# Altium PCB версия1.PcbDoc (part 1 of 3) (continued)
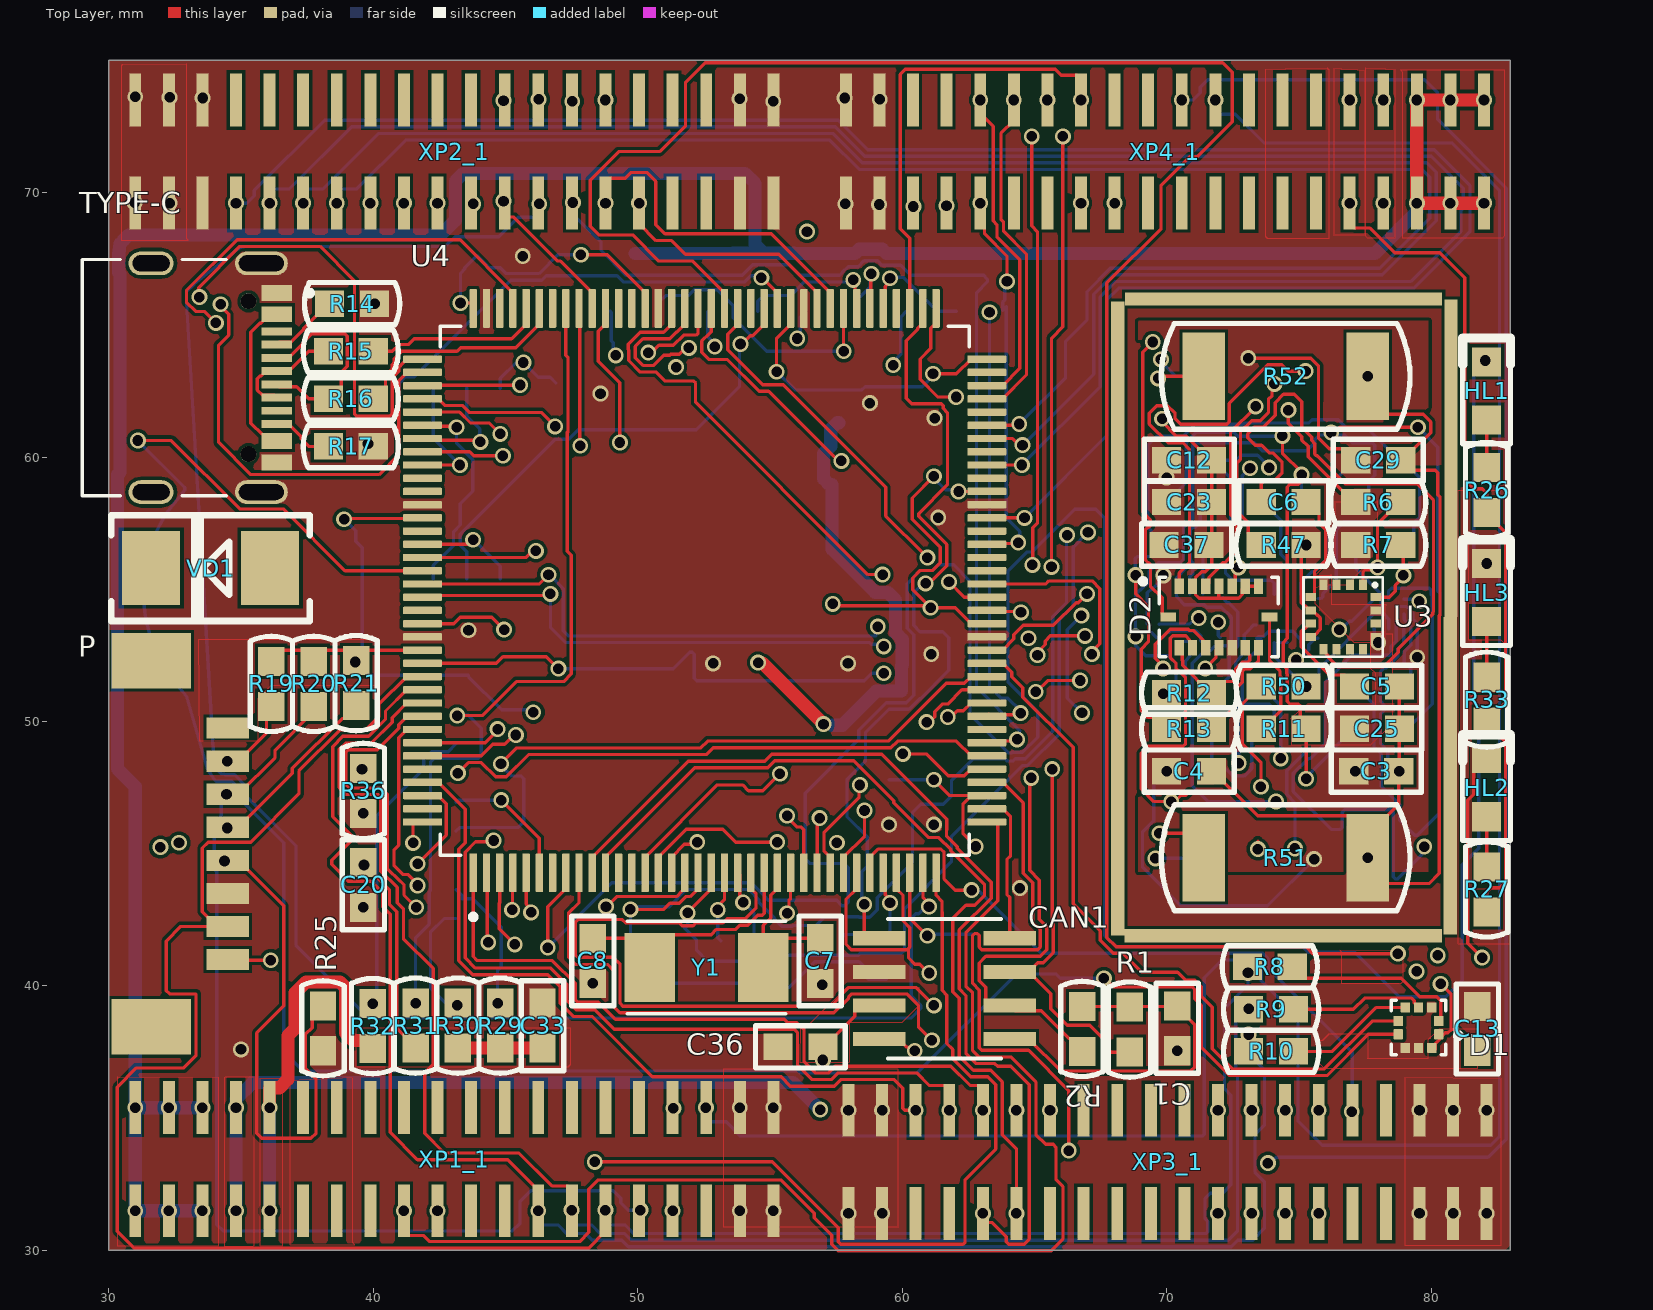
[diagram p0: Top Layer view]
## Components (designator, comment, footprint, x,y, rotation, side; value= is the part's Value field where it differs from the comment) (continued)
P "Header 1x8" "PicoBlade 8pin" 34.5,45.385 r270 top
R1 "60Om" R0603 68.6,38.35 r90 top
R2 "60 Om" R0603 66.8,38.375 r90 top
R3 "0" R0603 70.85,51.075 r180 bottom
R4 "0" R0603 70.75,56.675 r180 bottom
R5 "0" R0603 70.85,58.3 r180 bottom
R6 "2.2k" R0603 78,58.3 r180 top
R7 "2.2k" R0603 78,56.675 r180 top
R8 "0" R0603 73.9,40.725 r0 top
R9 "0" R0603 73.95,39.125 r0 top
R10 "0" R0603 73.95,37.525 r0 top
R11 "0" R0603 74.425,49.725 r180 top
R12 "0" R0603 70.85,51.075 r180 top
R13 "0" R0603 70.85,49.725 r0 top
R14 "5,1 кОм" R0603 39.2,65.8 r180 top
R15 "68" R0603 39.15,64 r0 top
R16 "68" R0603 39.15,62.2 r0 top
R17 "5,1 кОм" R0603 39.15,60.4 r0 top
R18 "47 Ом" R0603 59.4,41.1 r90 bottom
R19 "47 кОм" R0603 36.15,51.425 r90 top
R20 "47 кОм" R0603 37.75,51.425 r90 top
R21 "47 кОм" R0603 39.35,51.45 r90 top
R22 "0" R0603 77.95,49.725 r0 bottom
R23 "0" R0603 78,56.675 r180 bottom
R24 "0" R0603 77.95,51.325 r180 bottom
R25 "47 кОм" R0603 38.1,38.4 r270 top
R26 "220" R0603 82.1,58.75 r270 top
R27 "220" R0603 82.1,43.65 r270 top
R28 "0" R0603 61,41.1 r270 bottom
R29 "47 кОм" R0603 44.8,38.5 r90 top
R30 "47 кОм" R0603 43.2,38.5 r90 top
R31 "47 кОм" R0603 41.6,38.5 r90 top
R32 "47 кОм" R0603 39.98,38.484 r90 top
R33 "220" R0603 82.1,50.825 r270 top
R34 "0" R0603 62.65,41.103 r90 bottom
R36 "10 kOm" R0603 39.625,47.375 r270 top
R37 "0" R0603 63.6,43.7 r0 bottom
R38 "10 кОм" R0603 70.85,59.875 r180 bottom
R39 "0" R0603 74.425,58.3 r180 bottom
R40 "0" R0603 78,59.875 r180 bottom
R41 "0" R0603 78,58.3 r0 bottom
R42 "0" R0603 70.85,48.125 r180 bottom
R43 "Resistor" R0603 51.75,40.95 r270 bottom
R44 "Resistor" R0603 53.15,40.85 r270 bottom
R45 "Resistor" R0603 54.4,40.8 r270 bottom
R46 "Resistor" R0603 49.6,40.8 r270 bottom
R47 "Resistor_0,25W" R0603 74.425,56.675 r0 top
R48 "Resistor_0,25W" R0603 74.425,56.675 r0 bottom
R49 "Resistor_0,25W" R0603 74.425,51.325 r0 bottom
R50 "Resistor_0,25W" R0603 74.425,51.325 r0 top
R51 "Resistor_0,25W" R2512 74.5,44.85 r0 top
R52 "Resistor_0,25W" R2512 74.5,63.05 r0 top
R53 "Resistor_0,25W" R2512 74.5,44.85 r0 bottom
R54 "Resistor_0,25W" R2512 74.5,63.05 r0 bottom
TYPE-C "TYPE-C-31-M-12" HRO_TYPE-C-31-M-12 31.6,63 r270 top
U1 "W25Q128FVSIG" SOIC127P790X216-8N 42.9,59 r90 bottom
U2 "QMI8658" QMI8658 70.95,53.875 r0 bottom
U3 "QMC5883L" QMC5883L 76.675,54.025 r0 top
U4 "K1921BK01T2" QFP50P2200X2200X160-144N 52.53,54.95 r90 top
VD1 "" DO-214AA 33.85,55.8 r180 top
VT1 "MOSFET-N" SOT95P240X112-3N 61.1,66.6 r90 bottom
VT2 "MOSFET-N" SOT95P240X112-3N 57.3,66.6 r90 bottom
VT3 "MOSFET-N" SOT95P240X112-3N 53.6,66.6 r90 bottom
VT4 "MOSFET-N" SOT95P240X112-3N 49.9,66.6 r90 bottom
XP1_1 "PLLD-1.27-40S" "Headr 2x20 male" 42.851,33.447 r90 top
XP1_2 "PLLD-1.27-40S" "Headr 2x20 Female" 41.962,33.32 r90 bottom
XP2_1 "PLLD-1.27-40S" "Headr 2x20 male" 42.851,71.547 r90 top
XP2_2 "PLLD-1.27-40S" "Headr 2x20 Female" 41.962,71.42 r90 bottom
XP3_1 "PLLD-1.27-40S" "Headr 2x20 male" 69.821,33.347 r90 top
XP3_2 "PLLD-1.27-40S" "Headr 2x20 Female" 68.932,33.22 r90 bottom
XP4_1 "PLLD-1.27-40S" "Headr 2x20 male" 69.721,71.547 r90 top
XP4_2 "PLLD-1.27-40S" "Headr 2x20 Female" 68.832,71.42 r90 bottom
Y1 "8 мгц" XTAL_ABM7-8.000MHZ-8-R80-D2Y-T 52.6,40.7 r0 top

## Footprints (in the part's own frame and the unit in brackets; to place one, negate y for a bottom-side part, rotate by r counter-clockwise, add the part's x,y. Pads: shape width x height; smd on the part's side, far side on the other; paste and mask are expansions set on the pad)
C0603#1 [mm] "1608M"
  rect 1.1x1 smd: 1(-0.85,0) 2(0.85,0)
  silkscreen extent -1.7,-0.8 1.7,0.8, body extent -0.8,-0.4 0.8,0.4, height 0.91
C0603#2 [mm] "1608M"
  rect 1.1x1 smd: 1(-0.85,0.018) 2(0.85,0)
  silkscreen extent -1.7,-0.8 1.7,0.8, body extent -0.8,-0.4 0.8,0.4, height 0.91
DO-214AA [mm] "(SMB) Low profile package"
  rect 2.2x2.8 smd: 1(-2.25,0) 2(2.25,0)
  silkscreen extent -3.75,-2 3.75,2, body extent -2.7,-1.8 2.7,1.8, height 2.3
GTFP08131Y2HR [mm]
  rect 0.7x1.6 smd: 1(-4.85,-7.325) 2(-3.75,-7.325) 3(-2.65,-7.325) 4(-1.55,-7.325) 5(-0.45,-7.325) 6(0.65,-7.325) 7(1.75,-7.325) 8(2.85,-7.325) 9(3.95,-7.325) CD(5.05,-7.325)
  rect 1x1.5 smd: S1(-7.05,0.8) S2(7.8,0.8)
"Headr 2x20 Female" [mm]
  rect 1.2x0.45 smd: 1(-1.82,-10.962) 2(2.08,-10.962) 3(-1.82,-9.692) 4(2.08,-9.692) 5(-1.82,-8.422) 6(2.08,-8.422) 7(-1.82,-7.152) 8(2.08,-7.152) 9(-1.82,-5.882) 10(2.08,-5.882) 11(-1.82,-4.612) 12(2.08,-4.612) 13(-1.82,-3.342) 14(2.08,-3.342) 15(-1.82,-2.072) 16(2.08,-2.072) 17(-1.82,-0.802) 18(2.08,-0.802) 19(-1.82,0.468) 20(2.08,0.468) 21(-1.82,1.738) 22(2.08,1.738) 23(-1.82,3.008) 24(2.08,3.008) 25(-1.82,4.278) 26(2.08,4.278) 27(-1.82,5.548) 28(2.08,5.548) 29(-1.82,6.818) 30(2.08,6.818) 31(-1.82,8.088) 32(2.08,8.088) 33(-1.82,9.358) 34(2.08,9.358) 35(-1.82,10.628) 36(2.08,10.628) 37(-1.82,11.898) 38(2.08,11.898) 39(-1.82,13.168) 40(2.08,13.168)
"Headr 2x20 male" [mm]
  rect 2x0.45 smd: 1(-1.947,11.851) 2(1.953,11.851) 3(-1.947,10.581) 4(1.953,10.581) 5(-1.947,9.311) 6(1.953,9.311) 7(-1.947,8.041) 8(1.953,8.041) 9(-1.947,6.771) 10(1.953,6.771) 11(-1.947,5.501) 12(1.953,5.501) 13(-1.947,4.231) 14(1.953,4.231) 15(-1.947,2.961) 16(1.953,2.961) 17(-1.947,1.691) 18(1.953,1.691) 19(-1.947,0.421) 20(1.953,0.421) 21(-1.947,-0.849) 22(1.953,-0.849) 23(-1.947,-2.119) 24(1.953,-2.119) 25(-1.947,-3.389) 26(1.953,-3.389) 27(-1.947,-4.659) 28(1.953,-4.659) 29(-1.947,-5.929) 30(1.953,-5.929) 31(-1.947,-7.199) 32(1.953,-7.199) 33(-1.947,-8.469) 34(1.953,-8.469) 35(-1.947,-9.739) 36(1.953,-9.739) 37(-1.947,-11.009) 38(1.953,-11.009) 39(-1.947,-12.279) 40(1.953,-12.279)
HRO_TYPE-C-31-M-12 [mm]
  rect 0.6x1.14 smd mask+0.05: A1_B12(-3.2,4.75) A4_B9(-2.4,4.75) B1_A12(3.2,4.75) B4_A9(2.4,4.75)
  rect 0.3x1.14 smd mask+0.05: A5(-1.25,4.75) A6(-0.25,4.75) A7(0.25,4.75) A8(1.25,4.75) B5(1.75,4.75) B6(0.75,4.75) B7(-0.75,4.75) B8(-1.75,4.75)
  oval 0.9x2 hole 0.6 slot 1.7 at 90 deg: S1(-4.325,4.17) S2(4.325,4.17)
  oval 0.9x1.7 hole 0.6 slot 1.4 at 90 deg: S3(-4.325,0) S4(4.325,0)
  round 0.6 hole 0.6 unplated: ""(-2.89,3.68) ""(2.89,3.68)
  silkscreen extent -4.47,-2.6 4.47,6.1, body extent -4.47,-2.6 4.47,5.31, height 3.31
LD0805 [mm]
  rect 1.1x1.1 smd: 1(-1.1,0) 2(1.1,0)
  silkscreen extent -2,-0.9 2,0.9, body extent -1,-0.62 1,0.63, height 0.73
"PicoBlade 8pin" [mm]
  rect 0.8x1.6 smd: 1(-4.365,0) 2(-3.115,0) 3(-1.865,0) 4(-0.615,0) 5(0.635,0) 6(1.885,0) 7(3.135,0) 8(4.385,0)
  rect 2.1x3 smd: S(-6.915,-2.9) S(6.935,-2.9)
PQFN50P200X200X80-10N [mm]
  rrect9% 0.35x0.38 smd: 1(-0.765,0.25) 2(-0.765,-0.25) 3(-0.5,-0.765) 4(0,-0.765) 5(0.5,-0.765) 6(0.765,-0.25) 7(0.765,0.25) 8(0.5,0.765) 9(0,0.765) 10(-0.5,0.765)
  silkscreen extent -1.6,-1.03 1.03,1.03
PQFN50P450X300X100-16N [mm]
  rect 0.35x0.59 smd: 1(-1.5,1.165) 2(-1,1.165) 3(-0.5,1.165) 4(0,1.165) 5(0.5,1.165) 6(1,1.165) 7(1.5,1.165) 9(1.5,-1.165) 10(1,-1.165) 11(0.5,-1.165) 12(0,-1.165) 13(-0.5,-1.165) 14(-1,-1.165) 15(-1.5,-1.165)
  rect 0.59x0.35 smd: 8(1.915,0) 16(-1.915,0)
  silkscreen extent -2.97,-1.5 2.25,1.5
QFP50P2200X2200X160-144N [mm]
  rrect25% 1.47x0.28 smd: 1(-10.67,8.75) 2(-10.67,8.25) 3(-10.67,7.75) 4(-10.67,7.25) 5(-10.67,6.75) 6(-10.67,6.25) 7(-10.67,5.75) 8(-10.67,5.25) 9(-10.67,4.75) 10(-10.67,4.25) 11(-10.67,3.75) 12(-10.67,3.25) 13(-10.67,2.75) 14(-10.67,2.25) 15(-10.67,1.75) 16(-10.67,1.25) 17(-10.67,0.75) 18(-10.67,0.25) 19(-10.67,-0.25) 20(-10.67,-0.75) 21(-10.67,-1.25) 22(-10.67,-1.75) 23(-10.67,-2.25) 24(-10.67,-2.75) 25(-10.67,-3.25) 26(-10.67,-3.75) 27(-10.67,-4.25) 28(-10.67,-4.75) 29(-10.67,-5.25) 30(-10.67,-5.75) 31(-10.67,-6.25) 32(-10.67,-6.75) 33(-10.67,-7.25) 34(-10.67,-7.75) 35(-10.67,-8.25) 36(-10.67,-8.75) 73(10.67,-8.75) 74(10.67,-8.25) 75(10.67,-7.75) 76(10.67,-7.25) 77(10.67,-6.75) 78(10.67,-6.25) 79(10.67,-5.75) 80(10.67,-5.25) 81(10.67,-4.75) 82(10.67,-4.25) 83(10.67,-3.75) 84(10.67,-3.25) 85(10.67,-2.75) 86(10.67,-2.25) 87(10.67,-1.75) 88(10.67,-1.25) 89(10.67,-0.75) 90(10.67,-0.25) 91(10.67,0.25) 92(10.67,0.75) 93(10.67,1.25) 94(10.67,1.75) 95(10.67,2.25) 96(10.67,2.75) 97(10.67,3.25) 98(10.67,3.75) 99(10.67,4.25) 100(10.67,4.75) 101(10.67,5.25) 102(10.67,5.75) 103(10.67,6.25) 104(10.67,6.75) 105(10.67,7.25) 106(10.67,7.75) 107(10.67,8.25) 108(10.67,8.75)
  rrect25% 0.28x1.47 smd: 37(-8.75,-10.67) 38(-8.25,-10.67) 39(-7.75,-10.67) 40(-7.25,-10.67) 41(-6.75,-10.67) 42(-6.25,-10.67) 43(-5.75,-10.67) 44(-5.25,-10.67) 45(-4.75,-10.67) 46(-4.25,-10.67) 47(-3.75,-10.67) 48(-3.25,-10.67) 49(-2.75,-10.67) 50(-2.25,-10.67) 51(-1.75,-10.67) 52(-1.25,-10.67) 53(-0.75,-10.67) 54(-0.25,-10.67) 55(0.25,-10.67) 56(0.75,-10.67) 57(1.25,-10.67) 58(1.75,-10.67) 59(2.25,-10.67) 60(2.75,-10.67) 61(3.25,-10.67) 62(3.75,-10.67) 63(4.25,-10.67) 64(4.75,-10.67) 65(5.25,-10.67) 66(5.75,-10.67) 67(6.25,-10.67) 68(6.75,-10.67) 69(7.25,-10.67) 70(7.75,-10.67) 71(8.25,-10.67) 72(8.75,-10.67) 109(8.75,10.67) 110(8.25,10.67) 111(7.75,10.67) 112(7.25,10.67) 113(6.75,10.67) 114(6.25,10.67) 115(5.75,10.67) 116(5.25,10.67) 117(4.75,10.67) 118(4.25,10.67) 119(3.75,10.67) 120(3.25,10.67) 121(2.75,10.67) 122(2.25,10.67) 123(1.75,10.67) 124(1.25,10.67) 125(0.75,10.67) 126(0.25,10.67) 127(-0.25,10.67) 128(-0.75,10.67) 129(-1.25,10.67) 130(-1.75,10.67) 131(-2.25,10.67) 132(-2.75,10.67) 133(-3.25,10.67) 134(-3.75,10.67) 135(-4.25,10.67) 136(-4.75,10.67) 137(-5.25,10.67) 138(-5.75,10.67) 139(-6.25,10.67) 140(-6.75,10.67) 141(-7.25,10.67) 142(-7.75,10.67) 143(-8.25,10.67) 144(-8.75,10.67)
  silkscreen extent -12.44,-10 10,10
QMC5883L [mm]
  rect 0.4x0.3 smd: 1(1.225,0.675) 2(1.225,0.175) 3(1.225,-0.325) 4(1.225,-0.825) 9(-1.225,-0.825) 10(-1.225,-0.325) 11(-1.225,0.175) 12(-1.225,0.675)
  rect 0.3x0.4 smd: 5(0.75,-1.3) 6(0.25,-1.3) 7(-0.25,-1.3) 8(-0.75,-1.3) 13(-0.75,1.15) 14(-0.25,1.15) 15(0.25,1.15) 16(0.75,1.15)
  silkscreen extent -1.5,-1.58 1.5,1.42
QMI8658 [mm]
  rect 0.5x0.3 smd: 1(1.075,-0.8) 4(1.075,0.7) 8(-1.225,0.7) 9(-1.225,0.2) 10(-1.225,-0.3) 11(-1.225,-0.8)
  rect 0.3x0.5 smd: 5(0.425,0.85) 6(-0.075,0.85) 7(-0.575,0.85) 12(-0.575,-0.95) 13(-0.075,-0.95) 14(0.425,-0.95)
  silkscreen extent -1.57,-1.3 1.43,1.2
R0603 [mm] "1608M"
  rect 1.1x1 smd: 1(-0.85,0) 2(0.85,0)
  silkscreen extent -1.8,-0.8 1.8,0.8, body extent -0.8,-0.4 0.8,0.4, height 0.38
R2512 [mm] "6432M"
  rect 1.6x3.3 smd: 1(-3.1,0) 2(3.1,0)
  silkscreen extent -4.7,-2 4.7,2, body extent -3.2,-1.6 3.2,1.6, height 0.7
SO-8_S [mil]
  rect 78x21 smd: 1(-97,75) 2(-97,25) 3(-97,-25) 4(-97,-75) 5(97,-75) 6(97,-25) 7(97,25) 8(97,75)
  silkscreen extent -84,-104 84,104, body extent -96,-118 96,118, height 69
SOIC127P790X216-8N [mm]
  oval 1.6x0.6 smd: 1(-3.6,1.905) 2(-3.6,0.635) 3(-3.6,-0.635) 4(-3.6,-1.905) 5(3.6,-1.905) 6(3.6,-0.635) 7(3.6,0.635) 8(3.6,1.905)
  silkscreen extent -3.82,-2.65 2.48,2.82
SOT95P240X112-3N [mil]
  rect 52x22 smd: 1(-43,37) 2(-43,-37) 3(43,0)
  silkscreen extent -11,-60 28,60
TO228P972X240-3N [mil]
  rect 37x67 smd: 1(-89,-240) 3(89,-240)
  rect 260x288 smd: 2(0,6)
XDCR_BMI270 [mm]
  rect 0.475x0.25 smd: 1(-1.163,0.75) 2(-1.163,0.25) 3(-1.163,-0.25) 4(-1.163,-0.75) 8(1.162,-0.75) 9(1.162,-0.25) 10(1.162,0.25) 11(1.162,0.75)
  rect 0.25x0.475 smd: 5(-0.5,-0.913) 6(0,-0.913) 7(0.5,-0.913) 12(0.5,0.912) 13(0,0.912) 14(-0.5,0.912)
  silkscreen extent -2.08,-1.25 1.5,1.25, body extent -1.5,-1.25 1.5,1.25, height 0.87
XDCR_BMM150 [mm]
  round 0.2 smd: A1(-0.601,0.601) A3(-0.035,0.601) A5(0.531,0.601) B2(-0.318,0.318) B4(0.248,0.318) C1(-0.601,0.035) C5(0.531,0.035) D2(-0.318,-0.248) D4(0.248,-0.248) E1(-0.601,-0.531) E3(-0.035,-0.531) E5(0.531,-0.531)
  silkscreen extent -1.38,-1.02 1.02,1.02
XTAL_ABM7-8.000MHZ-8-R80-D2Y-T [mm]
  rect 1.9x2.6 smd: 1(-2.15,0) 2(2.15,0)
  silkscreen extent -3,-1.75 3,1.75

## Part data
C1 C2 C3 C4 C5 C6 C7 C8 C9 C10 C11 C12 C13 C14 C15 C16 C17 C18 C19 C20 C21 C22 C23 C24 C25 C26 C27 C28 C29 C30 C31 C32 C33 C34 C35 C36 C37 C38: library part Capacitor, Published=18.05.2010, Publisher="Andrew Danich", Type=Конденсатор
D: library part GTFP08131Y2HR
HL1 HL2 HL3: library part Led-1, Published=03.12.2013, Publisher="Andrew Danich", Type="Индикатор единичный"
R1 R2 R3 R4 R5 R6 R7 R8 R9 R10 R11 R12 R13 R14 R15 R16 R17 R18 R19 R20 R21 R22 R23 R24 R25 R26 R27 R28 R29 R30 R31 R32 R33 R34 R36 R37 R38 R39 R40 R41 R42: library part Resistor, Published=24.03.2010, Publisher="Andrew Danich", Type=Резистор
VD1: library part Schottky
Y1: library part ABM7-8.000MHZ-8-R80-D2Y-T, "Crystal 22.1184MHz Ã‚Â±20ppm (Tol) Ã‚Â±30ppm (Stability) 18pF FUND 50Ohm 2-Pin Mini-CSMD T/R", Package=None, Availability=Unavailable, MP=ABM7-8.000MHZ-8-R80-D2Y-T, Price=None
R43 R44 R45 R46: Published=24.03.2010, Publisher="Andrew Danich", Type=Резистор
R47 R48 R49 R50 R51 R52 R53 R54: Published=19.09.2014, Publisher="Andrew Danich", Type=Резистор
VT1 VT2 VT3 VT4: Published=24.09.2010, Publisher="Andrew Danich", Type=Транзистор

## Free pads (board coordinates)
  rect 0.5x12 smd: 17(68.15,47.9) 17(68.152,59.882) 17(80.723,47.943) 17(80.75,59.95)
  rect 0.5x12 smd far side: 17(68.15,47.9) 17(68.152,59.882) 17(80.723,47.943) 17(80.75,59.95)
  rect 12x0.5 smd: 17(74.407,41.898) 17(74.418,65.977)
  rect 12x0.5 smd far side: 17(74.407,41.898) 17(74.418,65.977)

## Via types
v1: diameter 0.6, hole 0.4, Top Layer to Bottom Layer, 325 vias

## Nets (pads, with @x,y where several pads share a name; then routed paths per layer and width w, separated by ;. In a path a pad name is that pad's centre, name@x,y a point inside that pad or via, vN(x,y) a via of type N, cw(c..) or ccw(c..) an arc to the next point about the centre after c; other vN are vias at no path point)
3V3: C2.2 C9.2 C10.2 C11.2 C14.2 C15.2 C16.2 C17.2 C18.2 C19.2 C20.2 C21.2 C22.2 C24.2 C28.2 C33.2 C38.2 D.4 LDO1.3 P.1 R18.1 R19.2 R20.2 R21.2 R26.2 R27.2 R28.2 R29.1 R30.1 R31.1 R32.1 R33.2 R43.2 R44.2 R45.2 R46.2 U1.8 U4.6 U4.17 U4.30 U4.33 U4.39 U4.52 U4.62 U4.72 U4.84 U4.95 U4.108 U4.121 U4.131 U4.144 XP1_1.9 XP1_1.10 XP1_2.9 XP1_2.10 XP4_1.31 XP4_1.32 XP4_2.31 XP4_2.32 | length 247.3
  Top Layer w0.125: R19.2@36.15,52.275 36.575,52.7 U4.131@41.86,52.7 ; v1(38.9,57.65) 38.925,57.675 41.835,57.675 U4.121@41.86,57.7 ; C20.2@39.625,44.675 39.65,44.65 v1(39.65,44.575) ; C20.2@39.688,44.613 39.688,44.563 40.613,43.638 40.613,43.092 40.893,42.812 40.893,38.408 41.6,37.7 R31.1@41.6,37.65 ; v1@41.323,45.337 41.432,45.337 v1(41.505,45.41) 41.505,46.123 41.583,46.2 U4.144@41.86,46.2 ; v1(43.3,65.825) 43.703,65.825 43.75,65.778 43.75,65.725 43.78,65.695 U4.108@43.78,65.62 ; v1(44.838,47.027) 46.28,45.585 U4.6@46.28,44.28 ; v1(47.85,67.65) 48.845,67.65 50.28,66.215 U4.95@50.28,65.62 ; v1(48.8,43) 48.825,43 49.208,43.383 51.467,43.383 51.692,43.608 51.702,43.608 51.78,43.685 U4.17@51.78,44.28 ; v1(55.25,63.225) 55.25,64.495 55.78,65.025 U4.84@55.78,65.62 ; v1(57.375,54.45) 57.45,54.375 v1@61,54.375 ; U4.30@58.28,44.28 58.28,43.685 57.875,43.28 57.875,41.579 58.078,41.376 60.194,41.376 60.242,41.423 ; U4.33@59.78,44.28 59.78,43.685 60.03,43.435 60.03,42.466 60.289,42.207 60.289,41.471 60.242,41.423 ; v1(61.025,40.491) 60.994,40.491 60.665,40.82 60.48,40.82 60.242,41.058 60.242,41.423 ; v1(61.165,63.147) 62.052,63.147 62.605,63.7 U4.72@63.2,63.7 ; v1(61.2,47.8) 61.8,47.2 U4.39@62.605,47.2 ; v1(61.2,59.275) 60.377,58.452 60.377,57.654 61.438,56.593 61.438,55.998 61.152,55.712 60.684,55.712 60.398,55.427 60.398,54.977 v1@61,54.375 ; v1(62.131,58.696) 62.133,58.698 63.198,58.698 U4.62@63.2,58.7 ; v1(62.775,45.275) 62.303,45.747 62.303,46.898 U4.39@62.605,47.2 ; U4.39@63.2,47.2 U4.39@62.605,47.2 ; U4.52@63.2,53.7 62.605,53.7 62.005,54.3 v1(61.075,54.3) v1@61,54.375 ; v1(76.92,69.6) 76.92,68.825 77.082,68.663 77.673,68.663 78.616,67.72 80.332,67.72 81.275,66.777 81.275,59.145 81.61,58.81 81.927,58.81 82.1,58.638 R26.2@82.1,57.9 82.1,57.85 82.813,57.138 82.813,50.737 82.1,50.025 R33.2@82.1,49.975 82.1,49.925 82.538,49.487 82.542,49.487 82.813,49.217 82.813,43.933 82.59,43.71 82.273,43.71 82.1,43.538 R27.2@82.1,42.8
  Top Layer w0.5: v1(36.08,35.4) 36.08,36.125 36.105,36.15 36.457,36.15 36.775,36.468 36.775,38.124 37.05,38.399 37.05,39.745 37.455,40.15 38.745,40.15 38.95,39.945 38.95,38.227 39.243,37.934 39.73,37.934 39.98,37.684 R32.1@39.98,37.634 ; R30.1@43.2,37.65 R29.1@44.8,37.65 C33.2@46.4,37.65
  Layer 1 w0.125: v1(39.65,44.575) 40.561,44.575 43.013,47.027 v1(44.838,47.027) ; v1(43.3,65.825) 43.363,65.825 45.612,63.575 v1(45.675,63.575) ; v1(46.05,50.35) 46.05,48.24 v1(44.838,47.027) ; v1(48.8,43) 48.8,43.032 44.838,46.995 v1(44.838,47.027) ; v1(56.4,68.525) 56.4,68.498 56.473,68.425 75.745,68.425 v1(76.92,69.6) ; v1(61.025,40.491) 63.113,42.578 63.113,44.116 62.775,44.454 v1(62.775,45.275) ; v1(61.165,63.147) 61.165,62.36 60.737,61.932 60.737,59.738 v1(61.2,59.275)
  Layer 1 w0.5: v1(76.92,69.6) v1(76.92,73.5)
  Layer 2 w0.125: v1(38.9,57.65) 38.9,61.425 v1(43.3,65.825) ; v1(55.25,63.225) 55.121,63.225 54.948,63.398 v1(51.454,63.398) 51.454,64.046 v1(47.85,67.65) 48.725,68.525 v1(56.4,68.525) ; v1(57.375,54.45) 58.187,53.638 58.187,53.266 59.068,52.386 59.068,52.282 58.812,52.027 58.812,51.171 61.2,48.784 v1(61.2,47.8)
  Bottom Layer w0.125: v1(38.9,57.65) 39.337,57.213 39.337,56.81 39.58,56.567 39.58,52.634 39.325,52.379 v1(39.325,52.25) 39.825,51.75 C19.2@43.6,51.75 43.6,51.7 44.85,50.45 C22.2@46,50.45 ; D.4@43.125,46.95 43.202,47.027 v1(44.838,47.027) ; v1(43.3,65.825) 43.3,66.95 43.462,67.113 43.462,67.163 43.9,67.6 C18.2@43.95,67.6 44.387,67.163 44.808,67.163 45.033,66.938 46.267,66.938 46.98,67.65 v1(47.85,67.65) ; U1.8@44.805,62.6 44.805,62.971 45.409,63.575 v1(45.675,63.575) 46.236,63.014 46.686,63.014 C2.2@46.9,62.8 ; R46.2@49.6,39.95 49.75,40.1 R43.2@51.75,40.1 54.25,40.1 R45.2@54.4,39.95 55.725,39.95 56.688,40.913 58.367,40.913 58.54,40.74 58.54,40.423 58.712,40.25 R18.1@59.4,40.25 ; v1(55.25,63.225) 55.263,63.225 55.951,62.538 58.479,62.538 58.604,62.662 60.762,62.662 61.165,63.065 v1(61.165,63.147) ; C16.2@59.5,47.8 v1(61.2,47.8) ; v1(61.2,59.275) 61.2,59.2 61.637,58.763 62.065,58.763 v1(62.131,58.696)
  Bottom Layer w0.5: v1(36.08,31.5) v1(36.08,35.4)
3V3_SEN: C3.2 C4.2 C12.2 C13.2 C23.2 C25.2 C29.2 C31.2 C32.2 C37.2 D1.1 D1.10 D2.3 D2.11 D3.B2 D3.E5 LDO2.3 R6.2 R7.2 R38.2 R42.2 U2.5 U2.8 U3.2 U3.4 U3.13 | length 129.3
  Top Layer w0.125: D2.3@71.475,55.115 71.587,55.228 71.587,55.427 71.95,55.79 71.95,55.846 72.116,56.012 72.217,56.012 72.313,56.108 72.313,56.117 72.62,56.425 72.62,57.621 72.412,57.829 72.412,59.308 72.412,60.929 73.362,61.879 v1(73.362,61.915) ; v1(73.085,63.739) 75.45,63.739 75.739,63.45 75.739,62.087 75.737,62.086 75.737,60.723 76.148,60.313 76.713,60.313 C29.2@77.15,59.875 ; v1(74.6,61.775) 74.6,61.281 75.112,60.769 75.112,60.642 75.35,60.403 75.35,60.011 76.623,58.737 76.713,58.737 R6.2@77.15,58.3 ; D1.10@80.15,37.585 80.15,37.816 80.302,37.968 80.302,37.988 80.415,38.1 80.415,38.115 80.527,38.227 80.628,38.227 80.752,38.352 ; v1(80.359,40.081) 80.752,39.687 80.752,38.352 ; C13.2@81.75,37.525 81.75,37.575 80.973,38.352 80.752,38.352
  Layer 1 w0.125: v1(75.575,44.8) 77.125,46.35 v1(77.125,48.125) ; v1(79.475,52.432) 79.514,52.471 79.963,52.471 80.043,52.552 80.363,52.552 80.474,52.442 80.681,52.442 81.088,52.035 81.088,40.92 80.359,40.192 v1(80.359,40.081)
  Layer 2 w0.125: v1(57.53,45.417) 57.553,45.44 58.703,45.44 60.027,44.116 60.027,43.298 60.937,42.388 61.627,42.388 63.114,40.9 67.709,40.9 67.831,40.778 68.422,40.778 73.698,35.502 73.698,35.393 74.278,34.812 74.682,34.812 74.769,34.9 75.461,34.9 75.548,34.812 75.952,34.812 76.238,35.098 76.238,35.313 76.3,35.375 76.3,38.09 79.506,41.296 79.698,41.296 80.048,41.646 80.471,41.646 80.838,42.013 80.838,51.931 80.577,52.192 80.508,52.192 80.35,52.35 79.873,52.35 78.544,51.021 78.544,49.544 v1(77.125,48.125) ; v1(69.875,55.525) 69.875,57.089 70,57.214 ; v1(70,59.225) 70,57.214 ; v1(73.085,63.739) 73.085,63.611 73.33,63.366 73.33,61.948 v1(73.362,61.915) 73.433,61.845 v1@73.463,61.845 ; v1(74.6,61.775) 74.53,61.845 v1@73.463,61.845 ; v1(78,52.988) 78,52.892 78.341,52.551 78.925,52.551 78.988,52.488 79.419,52.488 v1(79.475,52.432) ; 70,57.214 72.934,60.148 73.458,60.148 73.547,60.237 74.933,60.237 75.338,60.642 75.338,60.745 74.782,61.301 74.007,61.301 v1@73.463,61.845
  Bottom Layer w0.125: v1(69.875,55.525) 69.875,55.431 69.473,55.029 69.428,55.029 69.262,54.863 69.262,53.702 69.312,53.652 69.312,53.458 69.408,53.362 69.438,53.362 69.625,53.175 69.825,53.175 70.012,53.362 70.083,53.362 70.158,53.437 71.092,53.437 71.288,53.242 71.288,53.062 U2.5@71.325,53.025 ; v1(70,48.125) 69.95,48.125 69.513,47.687 69.513,46.252 69.088,45.827 69.088,45.027 69.087,44.483 70.533,43.038 73.813,43.038 v1(75.575,44.8) ; D3.E5@77.834,53.5 77.848,53.486 77.848,53.268 78,53.116 v1(78,52.988) ; D3.B2@78.683,54.349 79.054,54.349 79.313,54.091 79.313,53.878 79.479,53.712 79.479,52.436 v1(79.475,52.432)
5V: C27.2 C30.2 C36.1 CAN1.3 LDO1.1 LDO2.1 XP1_1.7 XP1_1.8 XP1_2.7 XP1_2.8 XP4_1.33 XP4_1.34 XP4_2.33 XP4_2.34 | length 149.3
  Top Layer w0.125: v1(57,37.2) C36.1@57,37.7 57.05,37.7 58.208,38.858 58.208,39.061 58.412,39.265 CAN1.3@59.136,39.265
  Top Layer w0.5: v1(54.55,52.225) 54.569,52.206 54.719,52.206 v1(57.025,49.9)
  Layer 1 w0.5: v1(54.55,52.225) 53.65,51.325 43.5,51.325 41.016,53.809 41.016,63.796 36.662,68.15 35.305,68.15 34.135,69.32 34.135,69.88 34.53,70.275 44.57,70.275 44.645,70.35 52.795,70.35 55.495,67.65 76.24,67.65 v1(78.19,69.6) v1(78.19,73.5) ; v1(56.9,35.325) 56.9,35.352 57,35.452 57,39.12 57.65,39.77 57.65,41.615 57.639,41.626 57.639,43.56 58.205,44.126 58.205,45.696 57.55,46.351 57.55,46.63 57.025,47.155 v1(57.025,49.9)
  Bottom Layer w0.5: v1(34.81,31.5) v1(34.81,35.4) 34.81,35.725 35.435,36.35 55.875,36.35 v1(56.9,35.325) ; LDO2.1@57.348,49.861 57.729,49.861 59.019,51.15 59.975,51.15 59.975,52.125 60,52.15 60,53.098 59.75,53.348 59.75,54.589 59.457,54.882 58.979,54.882 57.348,56.512 LDO1.1@57.348,58.961 57.245,58.961 57.025,59.181 57.025,60.135 57.3,60.41 57.3,61.05 57.55,61.3 C27.2@57.6,61.3
GND: C1.1 C2.1 C3.1 C4.1 C5.1 C7.1 C8.1 C9.1 C10.1 C11.1 C12.1 C13.1 C14.1 C15.1 C16.1 C17.1 C18.1 C19.1 C20.1 C21.1 C22.1 C23.1 C24.1 C25.1 C26.1 C27.1 C28.1 C29.1 C30.1 C31.1 C32.1 C33.1 C34.1 C35.1 C36.2 C37.1 C38.1 CAN1.2 CAN1.8 D1.3 D1.8 D1.9 D2.2 D2.4 D2.6 D2.7 D3.A1 D3.C5 D3.E1 D3.E3 D4.6 D4.7 D.6 D.S1 D.S2 HL3.2 LDO1.2 LDO2.2 P.6 R14.1 R17.2 R25.2 R34.1 R36.2 R37.2 R47.2 R48.2 R49.2 R50.2 R51.2 R52.2 R53.2 R54.2 TYPE-C.A1_B12 TYPE-C.B1_A12 TYPE-C.S1 TYPE-C.S2 U1.4 U2.6 U2.7 U3.9 U3.11 U4.16 U4.38 U4.51 U4.61 U4.83 U4.94 U4.107 U4.120 U4.130 XP1_1.37 XP1_1.38 XP1_1.39 XP1_1.40 XP1_2.37 XP1_2.38 XP1_2.39 XP1_2.40 XP2_1.1 XP2_1.2 XP2_1.3 XP2_1.4 XP2_1.5 XP2_1.6 XP2_1.37 XP2_1.38 XP2_1.39 XP2_1.40 XP2_2.1 XP2_2.2 XP2_2.3 XP2_2.4 XP2_2.5 XP2_2.6 XP2_2.37 XP2_2.38 XP2_2.39 XP2_2.40 XP3_1.1 XP3_1.2 XP3_1.3 XP3_1.4 XP3_1.35 XP3_1.36 XP3_1.37 XP3_1.38 XP3_1.39 XP3_1.40 XP3_2.1 XP3_2.2 XP3_2.3 XP3_2.4 XP3_2.35 XP3_2.36 XP3_2.37 XP3_2.38 XP3_2.39 XP3_2.40 XP4_1.1 XP4_1.2 XP4_1.3 XP4_1.4 XP4_2.1 XP4_2.2 XP4_2.3 XP4_2.4 | length 116.4
  Top Layer w0.125: U4.16@51.28,44.28 51.28,44.875 51.762,45.358 52.167,45.358 v1(52.25,45.44) ; U4.38@63.2,46.7 63.795,46.7 64.098,46.397 64.098,44.929 63.963,44.794 63.963,43.452 64.064,43.351 CAN1.8@64.064,41.805 ; v1(69.829,61.45) 69.829,61.326 70.367,60.788 70.737,60.788 71.65,59.875 C12.1@71.7,59.875 71.7,55.893 71.467,55.66 71.321,55.66 71.088,55.427 71.088,55.228 D2.2@70.975,55.115 71.088,55.003 71.088,54.803 71.233,54.658 71.975,54.658 ; C4.1@71.7,48.125 71.75,48.125 73.437,46.437 76.862,46.437 R51.2@77.6,45.7 ; D2.4@71.975,55.115 71.975,54.658 ; D2.7@73.475,55.235 D2.7@73.475,55.115 D2.6@72.975,55.115 72.863,55.003 72.863,54.803 72.717,54.658 71.975,54.658 ; v1(75.275,56.675) 75.087,56.488 75.087,54.483 75.183,54.388 75.212,54.388 75.4,54.2 U3.11@75.45,54.2 75.5,54.2 75.687,54.013 75.717,54.013 75.812,53.917 75.812,53.483 75.617,53.287 75.537,53.287 U3.9@75.45,53.2 ; v1(77.6,63.05) 77.6,62.35 78.337,61.613 79.702,61.613 79.988,61.327 79.988,60.923 79.682,60.618 79.643,60.618 78.9,59.875 C29.1@78.85,59.875 79.225,59.5 80.154,59.5 80.246,59.408 80.246,58.573 80.338,58.481 80.338,54.037 80.311,54.01 80.311,44.259 79.927,43.875 78.337,43.875 77.6,44.612 v1(77.6,44.85) R51.2@77.6,45.7 ; C5.1@78.8,51.325 78.8,48.15 C3.1@78.775,48.125 78.775,46.875 R51.2@77.6,45.7
  Layer 1 w0.125: v1(77.6,63.05) 78.759,61.891 78.759,56.556 79.489,55.825 80.655,55.825 80.805,55.975 v1(82.1,55.975)
  Layer 2 w0.125: v1(69.829,61.45) 72.238,61.45 72.835,62.047 72.835,62.876 72.598,63.113 72.598,63.941 72.883,64.227 73.287,64.227 73.58,63.934 73.58,62.57 73.873,62.277 76.827,62.277 v1(77.6,63.05) 77.6,61.025 75.275,58.7 v1(75.275,56.675)
  Bottom Layer w0.125: C34.1@70,49.725 70.05,49.725 70.712,50.387 70.712,52.299 70.875,52.462 U2.6@70.875,53.025 U2.7@70.375,53.025 ; D4.7@74.062,52.987 74.062,52.47 74.77,51.762 74.837,51.762 v1(75.275,51.325) 75.325,51.325 75.762,51.762 75.762,51.994 D3.C5@77.834,54.066 78.205,54.066 78.4,53.871 D3.E3@78.4,53.5 ; 74.187,52.987 D4.6@74.563,52.987 ; v1(74.85,45.2) 74.85,46.937 74.538,47.249 74.538,48.143 75.275,48.88 C35.1@75.275,49.725 ; C32.1@78.825,48.125 v1(78.8,48.125) 78.362,48.562 78.362,48.883 78.088,49.158 78.088,50.292 78.208,50.413 78.208,50.637 78.088,50.758 78.088,51.892 78.22,52.025 78.3,52.025 78.738,52.463 78.738,52.738 78.966,52.966 D3.E1@78.966,53.5 ; D3.A1@78.966,54.632 78.98,54.618 79.482,54.618 v1(79.55,54.55)
  other v1: 57.97,31.4 59.24,31.4 79.56,31.4 80.83,31.4 82.1,31.4 53.86,31.5 55.13,31.5 57.97,35.3 59.24,35.3 79.56,35.3 80.83,35.3 82.1,35.3 53.86,35.4 55.13,35.4 70.4,37.55 35,37.6 56.975,40.05 48.3,40.1 39.625,42.975 64.45,43.7 59.5,46.1 61.2,46.1 39.625,46.525 52.85,52.2 57.95,52.2 61.1,52.55 43.6,53.45 61.362,57.712 39.8,60.5 61.225,61.475 58.781,62.039 48.593,62.4 40.05,65.8 45.65,67.6 59.125,69.55 57.85,69.575 32.3,69.6 30.975,69.625 55.125,73.45 59.15,73.525 53.85,73.55 33.55,73.575 57.825,73.575 32.3,73.6 31,73.625
NetC1_2: C1.2 CAN1.5 R1.2 R2.2 | length 13.8
  Top Layer w0.125: CAN1.5@64.064,37.995 64.788,37.995 65.995,36.787 70.917,36.787 71.063,36.933 71.063,38.538 70.4,39.2 C1.2@70.4,39.25 70.375,39.225 R2.2@66.8,39.225
NetC5_2: C5.2 U3.10 | length 3.8
  Top Layer w0.125: U3.10@75.45,53.7 75.4,53.7 75.212,53.512 75.183,53.512 75.087,53.417 75.087,52.824 76.149,51.763 76.713,51.763 C5.2@77.15,51.325
NetC6_1: C6.1 U3.12 | length 4.2
  Top Layer w0.125: C6.1@75.275,58.3 75.325,58.3 75.763,57.863 75.763,57.503 76.012,57.253 76.012,56.097 75.587,55.672 75.587,54.788 75.5,54.7 U3.12@75.45,54.7
NetC6_2: C6.2 U3.8 | length 24
  Top Layer w0.125: C6.2@73.575,58.3 73.575,58.988 73.7,59.112 74.077,59.112 74.363,59.398 74.363,59.802 74.011,60.154 73.875,60.154 73.588,60.441 73.35,60.441 73.062,60.728 73.062,60.872 73.314,61.124 73.646,61.124 74.1,61.579 74.1,62.06 74.416,62.376 74.82,62.376 75.105,62.09 75.105,61.13 75.481,60.754 75.481,60.626 75.6,60.507 75.6,60.114 75.664,60.05 75.695,60.05 76.758,58.988 79.478,58.988 80.088,58.378 80.088,54.141 80.061,54.114 80.061,54.061 78.754,52.754 78.754,52.614 78.202,52.062 76.472,52.062 76.087,52.447 76.087,52.513 75.925,52.675 U3.8@75.925,52.725
NetC7_2: C7.2 U4.24 Y1.2 | length 6.3
  Top Layer w0.125: Y1.2@54.75,40.7 Y1.2@54.75,40.913 ; U4.24@55.28,44.28 55.28,43.685 55.03,43.435 55.03,42.57 54.75,42.289 Y1.2@54.75,40.913 ; C7.2@56.9,41.8 55.638,41.8 Y1.2@54.75,40.913
NetC8_2: C8.2 U4.23 Y1.1 | length 9.8
  Top Layer w0.125: C8.2@48.3,41.8 49.562,41.8 50.325,41.038 50.325,40.65 50.4,40.65 Y1.1@50.45,40.7 50.45,41.05 51.337,41.937 52.777,41.937 52.977,42.137 53.708,42.137 53.867,42.296 54.165,42.296 54.542,42.673 54.707,42.673 54.78,42.746 U4.23@54.78,44.28
NetC26_2: C26.2 R18.2 U4.32 | length 4.1
  Top Layer w0.125: U4.32@59.28,44.28 59.357,44.203 59.357,43.451 59.539,43.269 v1(59.539,43.14)
  Bottom Layer w0.125: C26.2@57.8,41.9 57.85,41.95 R18.2@59.4,41.95 59.539,42.089 v1(59.539,43.14)
NetC34_2: C34.2 C35.2 D4.5 D4.8 R42.1 | length 11.6
  Bottom Layer w0.125: R42.1@71.7,48.125 C34.2@71.7,49.725 ; R42.1@72.237,48.223 72.523,47.937 72.927,47.937 73.213,48.223 73.213,49.363 C35.2@73.575,49.725 73.625,49.725 74.062,50.163 74.062,50.236 74.063,50.484 73.884,50.662 72.958,50.662 72.862,50.758 72.862,52.162 73.573,52.873 73.573,53.088 73.511,53.15 D4.8@73.4,53.15 73.463,53.213 73.66,53.213 73.86,53.413 74.765,53.413 74.875,53.303 74.875,53.287 75.062,53.1 D4.5@75.062,52.987
NetC35_2: 
NetCAN1_1: CAN1.1 U4.74 | length 31.1
  Top Layer w0.125: v1(58.564,43.088) 58.564,42.009 58.475,42.009 58.679,41.805 CAN1.1@59.136,41.805 ; U4.74@60.78,65.62 60.78,65.025 60.703,64.947 60.656,64.947 60.582,64.874 60.582,64.838 60.149,64.405 60.149,62.224 60.354,62.019 61.479,62.019 61.553,61.946 61.553,61.837 61.713,61.677 61.713,58.947 60.627,57.861 60.627,57.757 61.688,56.697 61.688,55.895 61.255,55.462 61.252,55.462 61.014,55.225 v1(60.886,55.225)
  Bottom Layer w0.125: v1(58.564,43.088) 58.475,43.177 58.475,44.327 58.679,44.531 58.679,45.642 57.912,46.409 57.912,47.802 58.612,48.501 58.612,49.573 59.501,50.462 60.26,50.462 60.663,50.865 60.695,50.865 61.763,51.933 61.763,53.167 61.53,53.4 60.67,53.4 60.438,53.633 60.438,53.988 60.438,54.867 60.795,55.225 v1(60.886,55.225)
NetCAN1_4: CAN1.4 U4.73 | length 32.3
  Top Layer w0.125: CAN1.4@59.136,37.995 59.34,37.791 60.064,37.791 60.164,37.691 60.205,37.691 60.345,37.551 v1(60.473,37.551) ; U4.73@61.28,65.62 61.28,65.025 61.202,64.947 61.156,64.947 61.083,64.874 61.083,64.112 60.678,63.707 60.678,62.946 61.354,62.269 v1(62.04,62.269)
  Layer 1 w0.125: v1(60.473,37.551) 60.462,37.562 60.462,38.958 60.212,39.208 60.212,42.205 60.277,42.27 60.277,44.848 60.238,44.888 60.238,47.881 61.003,48.646 61.238,48.646 62.516,49.923 62.516,55.762 62.618,55.864 62.618,61.691 v1(62.04,62.269)
NetCAN1_6: CAN1.6 R2.1 XP2_1.26 XP2_2.26 | length 59.8
  Top Layer w0.125: v1(64.88,47.866) 64.825,47.811 64.825,44.368 65.188,44.005 65.188,42.522 65.467,42.243 65.467,41.367 65.225,41.126 63.167,41.126 62.911,40.869 62.911,40.201 63.161,39.951 63.161,39.469 63.365,39.265 CAN1.6@64.064,39.265 64.268,39.061 65.264,39.061 66.312,38.012 66.362,38.012 66.8,37.575 R2.1@66.8,37.525 ; v1(64.9,72.125) 64.894,72.119 64.894,68.741 65.113,68.523 65.113,57.498 64.938,57.323 64.938,55.938 v1(64.925,55.925)
  Layer 1 w0.125: v1(46.25,73.525) 47.65,72.125 v1(64.9,72.125)
  Layer 2 w0.125: v1(64.88,47.866) 64.825,47.922 64.825,48.761 64.938,48.873 64.938,50.073 65.013,50.148 65.013,50.398 65.538,50.923 65.538,52.194 65.604,52.26 65.604,52.712 65.518,52.798 65.518,54.032 65.344,54.206 65.344,55.442 64.925,55.861 v1(64.925,55.925)
NetCAN1_7: CAN1.7 R1.1 XP2_1.24 XP2_2.24 | length 60.8
  Top Layer w0.125: CAN1.7@64.064,40.535 CAN1.7@64.788,40.535 ; v1(65.646,55.848) 65.646,64.499 66.075,64.928 v1(66.075,72.125) ; v1(65.675,48.2) 65.675,42.388 65.717,42.346 65.717,41.264 65.329,40.876 65.128,40.876 CAN1.7@64.788,40.535 ; R1.1@68.6,37.5 67.913,37.5 67.64,37.773 67.64,37.965 67.092,38.513 66.233,38.513 65.612,39.133 65.612,39.71 CAN1.7@64.788,40.535
  Layer 1 w0.125: v1(44.925,73.475) 46.525,71.875 59.654,71.875 59.891,71.637 65.587,71.637 v1(66.075,72.125)
  Layer 2 w0.125: v1(65.646,55.848) 65.646,54.384 65.768,54.262 65.768,52.901 65.854,52.816 65.854,52.156 65.788,52.09 65.788,50.82 65.675,50.707 v1(65.675,48.2)
NetD1_2: D1.2 R8.2 | length 6.9
  Top Layer w0.125: R8.2@74.75,40.725 75.188,40.288 78.867,40.288 79.561,39.593 80.207,39.593 80.363,39.438 80.363,38.748 D1.2@80.29,38.675
NetD1_4: D1.4 R9.2 | length 5.1
  Top Layer w0.125: R9.2@74.8,39.125 77.064,39.125 77.482,39.542 79.258,39.542 79.363,39.438 79.363,39.367 79.525,39.205 D1.4@79.525,39.19